# Altium PCB radxa_nx4_io_board_v1.11.PcbDoc (part 1 of 13) (continued)
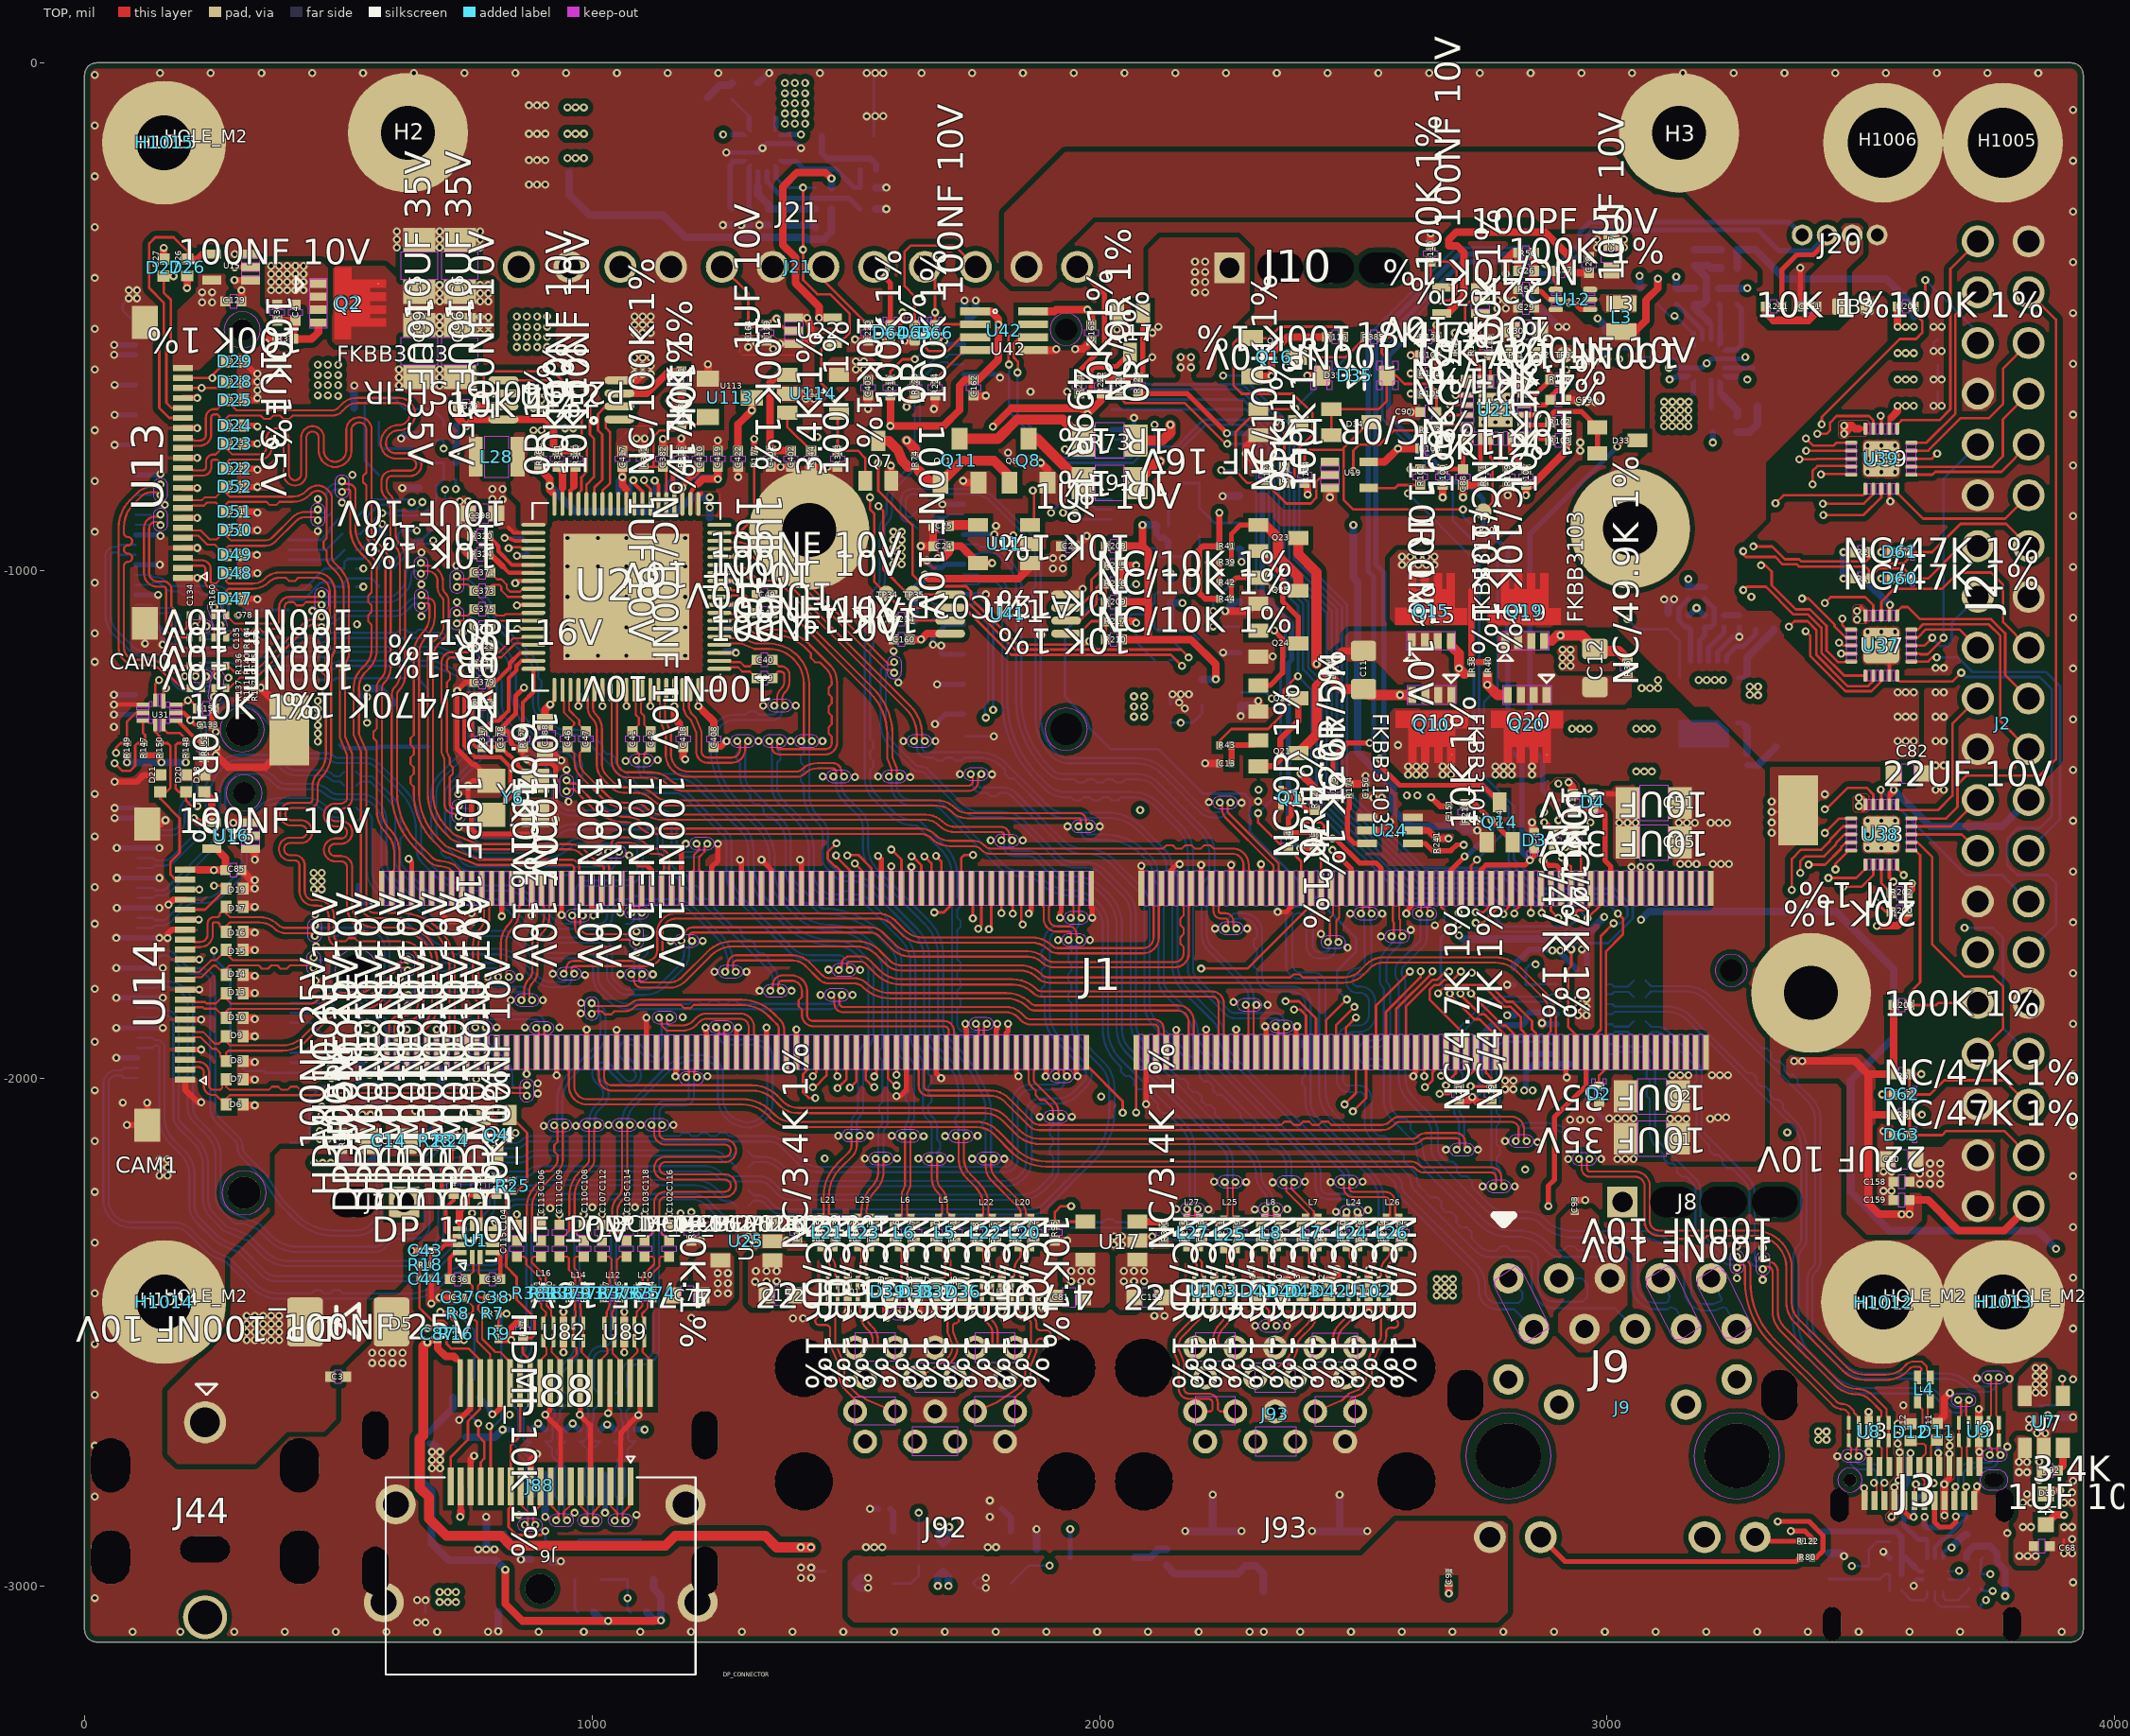
[diagram p0: TOP view]
## Components (designator, comment, footprint, x,y, rotation, side; value= is the part's Value field where it differs from the comment) (continued)
C419 "C_C0402_100NF 10V" C0402#1 1248,-780 r90 top
C422 "C_C0402_NC/100NF 10V" C0402#1 1288,-780 r270 top
D1 "DIODE_SOD_123_B5819W" SOD_123#1 2004,-2944 r0 bottom
D2 "ESD_ESD_D0402_BTR04G02" ESD_D0402 2984,-2032 r270 top
D3 "ESD_ESD_D0402_BTR04G02" ESD_D0402 2856,-1532 r90 top
D4 "ESD_ESD_D0402_BTR04G02" ESD_D0402 2972,-1456 r90 top
D5 "DIODE_DO_214AA_SMBJ22A" DO_214AA 520,-2480 r180 top
D6 "ESD_DFN1006-2L_ESD5311N" DFN1006-2L 296,-2051 r0 top
D7 "ESD_DFN1006-2L_ESD5311N" DFN1006-2L 296,-2002 r0 top
D8 "ESD_DFN1006-2L_ESD5311N" DFN1006-2L 296,-1966 r0 top
D9 "ESD_DFN1006-2L_ESD5311N" DFN1006-2L 296,-1917 r0 top
D10 "ESD_DFN1006-2L_ESD5311N" DFN1006-2L 296,-1881 r0 top
D11 "ESD_DFN1006-2L_ESD5311N" DFN1006-2L 3650,-2696 r270 top
D12 "ESD_DFN1006-2L_ESD5311N" DFN1006-2L 3598,-2696.86 r270 top
D13 "ESD_DFN1006-2L_ESD5311N" DFN1006-2L 296,-1832 r0 top
D14 "ESD_DFN1006-2L_ESD5311N" DFN1006-2L 296,-1796 r0 top
D15 "ESD_DFN1006-2L_ESD5311N" DFN1006-2L 296,-1747 r0 top
D16 "ESD_DFN1006-2L_ESD5311N" DFN1006-2L 296,-1711 r0 top
D17 "ESD_DFN1006-2L_ESD5311N" DFN1006-2L 296,-1662 r0 top
D18 "ESD_DFN1006-2L_ESD5311N" DFN1006-2L 236,-1420 r90 top
D19 "ESD_DFN1006-2L_ESD5311N" DFN1006-2L 296,-1626 r0 top
D20 "ESD_DFN1006-2L_ESD5311N" DFN1006-2L 200,-1420 r90 top
D21 "ESD_DFN1006-2L_ESD5311N" DFN1006-2L 149,-1420 r90 top
D22 "ESD_DFN1006-2L_ESD5311N" DFN1006-2L 296,-799 r0 top
D23 "ESD_DFN1006-2L_ESD5311N" DFN1006-2L 296,-750 r0 top
D24 "ESD_DFN1006-2L_ESD5311N" DFN1006-2L 296,-714 r0 top
D25 "ESD_DFN1006-2L_ESD5311N" DFN1006-2L 296,-664 r0 top
D26 "ESD_DFN1006-2L_ESD5311N" DFN1006-2L 203.51,-402.49 r270 top
D27 "ESD_DFN1006-2L_ESD5311N" DFN1006-2L 156,-404 r90 top
D28 "ESD_DFN1006-2L_ESD5311N" DFN1006-2L 296,-628 r0 top
D29 "ESD_DFN1006-2L_ESD5311N" DFN1006-2L 296,-588 r0 top
D30 "LED_LED_D0603_LED_GREEN" LED_D0603 3864,-2849 r90 top
D31 "ESD_DFN1006-2L_ESD5311N" DFN1006-2L 3724,-2860 r0 bottom
D32 "ESD_DFN1006-2L_ESD5311N" DFN1006-2L 3556,-2836 r180 bottom
D33 "DIODE_S_3P_SOT_323_BAT54CW" SOT_323#1 3020,-744 r270 top
D34 "DIODE_S_3P_SOT_323_BAT54CW" SOT_323#1 2496,-708 r270 top
D35 "DIODE_SOD_123_BZT52C3V3" SOD_123#2 2504,-616 r180 top
D36 "ESD_DFN1006-2L_ESD5311N" DFN1006-2L 1732,-2420 r270 top
D37 "ESD_DFN1006-2L_ESD5311N" DFN1006-2L 1680,-2420 r270 top
D38 "ESD_DFN1006-2L_ESD5311N" DFN1006-2L 1640,-2420 r270 top
D39 "ESD_DFN1006-2L_ESD5311N" DFN1006-2L 1584,-2420 r270 top
D40 "ESD_DFN1006-2L_ESD5311N" DFN1006-2L 2364,-2420 r90 top
D41 "ESD_DFN1006-2L_ESD5311N" DFN1006-2L 2312,-2420 r90 top
D42 "ESD_DFN1006-2L_ESD5311N" DFN1006-2L 2452,-2420 r90 top
D43 "ESD_DFN1006-2L_ESD5311N" DFN1006-2L 2400,-2420 r90 top
D47 "ESD_DFN1006-2L_ESD5311N" DFN1006-2L 296,-1055 r0 top
D48 "ESD_DFN1006-2L_ESD5311N" DFN1006-2L 296,-1005 r0 top
D49 "ESD_DFN1006-2L_ESD5311N" DFN1006-2L 296,-969 r0 top
D50 "ESD_DFN1006-2L_ESD5311N" DFN1006-2L 296,-920 r0 top
D51 "ESD_DFN1006-2L_ESD5311N" DFN1006-2L 296,-884 r0 top
D52 "ESD_DFN1006-2L_ESD5311N" DFN1006-2L 296,-835 r0 top
D60 "ESD_ESD_D0402_BTR04G02" ESD_D0402 3576,-1016 r180 top
D61 "ESD_ESD_D0402_BTR04G02" ESD_D0402 3576,-964 r180 top
D62 "ESD_ESD_D0402_BTR04G02" ESD_D0402 3580,-2032 r180 top
D63 "ESD_ESD_D0402_BTR04G02" ESD_D0402 3580,-2112 r180 top
D64 "ESD_ESD_D0402_BTR04G02" ESD_D0402 1588,-532 r270 top
D65 "ESD_ESD_D0402_BTR04G02" ESD_D0402 1636,-532 r270 top
D66 "ESD_ESD_D0402_BTR04G02" ESD_D0402 1676,-532 r270 top
D99 "DIODE_S_3P_SOT_323_HDMI_BAT54CW" SOT_323#1 992,-2948 r180 bottom
FB1 "BEAD_FB0805_80R 6A" FB0805 820,-600 r0 bottom
FB2 "BEAD_FB0805_80R 6A" FB0805 820,-676 r0 bottom
FB3 "BEAD_FB0603_330R 2A" FB0603 3484,-480 r180 top
H1 "HOLE_HOLE_2D7_6D0_A_HOLE_M2" HOLE_2D7_6D0_A#1 1428,-920 r180 bottom
H2 "HOLE_HOLE_2D7_6D0_A_NC/HOLE_M2" HOLE_2D7_6D0_A#2 637.8,-137.8 r0 top
H3 "HOLE_HOLE_2D7_6D0_A_NC/HOLE_M2" HOLE_2D7_6D0_A#2 3141.73,-137.8 r0 top
H1005 "HOLE_HOLE_C6_0D3_5MM_NC/HOLE_M2" HOLE_C6_0D3_5MM 3779.53,-157.48 r0 top
H1006 "HOLE_HOLE_C6_0D3_5MM_NC/HOLE_M2" HOLE_C6_0D3_5MM 3543.3,-157.48 r0 top
H1007 "HOLE_HOLE_2D7_6D0_A_HOLE_M2" HOLE_2D7_6D0_A#1 3401.7,-1832 r180 bottom
H1011 "HOLE_HOLE_2D7_6D0_A_HOLE_M2" HOLE_2D7_6D0_A#1 3045.12,-917.32 r180 bottom
H1012 "HOLE_HOLE_C6_2D2_75MM_HOLE_M2" HOLE_C6_2D2_75MM 3543.31,-2440.94 r0 top
H1013 "HOLE_HOLE_C6_2D2_75MM_HOLE_M2" HOLE_C6_2D2_75MM 3779.53,-2440.94 r0 top
H1014 "HOLE_HOLE_C6_2D2_75MM_HOLE_M2" HOLE_C6_2D2_75MM 157.48,-2440.94 r0 top
H1015 "HOLE_HOLE_C6_2D2_75MM_HOLE_M2" HOLE_C6_2D2_75MM 157.48,-157.48 r0 top
J1 "CON_SODIMM_260_SODIMM_SM260_0D5" SODIMM_SM260_0D5_78D0X26D1 1890,-1288 r180 top
J2 "CON_SM2X20_CON_TH20X2_2D54_STA_" CON_TH20X2_2D54_STA 3780,-1302 r90 top
J3 "TYPEC_24P_SMD_TYPEC_SM24_0D5_LI" TYPEC_SM24_0D5_LIE 3620,-2960.86 r0 top
J4 "CON1X2_CON_SM1X2_1D25_LIE_WF012" CON_SM1X2_1D25_LIE 2348,-2908 r0 bottom
J5 "M2_KEY_M_M2-M_KEY_SM_75_0D5_M2_" M2-M_KEY_SM_75_0D5 1754,-920 r0 bottom
J6 "HDMI_TYPE_A_LIE_HDMI_SM19_0D5_L" HDMI_SM19_0D5_LIE_S 899.13,-2971.6 r0 top
J7 "TH_2PIN_2D54_CONM_TH1X2_2D54_ST" CONM_TH1X2_2D54_STA 580,-2244 r180 top
J8 "CONM_TH1X4_2D54_STA_CONM_TH1X4_" CONM_TH1X4_2D54_STA 3180,-2244 r0 top
J9 "LPJG0926HENL_RJ45_LED_TH22_LIE_" RJ45_LED_TH22_LIE 3030,-2744 r0 top
J10 "CONM_TH1X4_2D54_STA_CONM_TH1X4_" CONM_TH1X4_2D54_STA 2406,-404 r0 top
J14 "M2_KEY_M_M2-M_KEY_SM_75_0D5_M2_" M2-M_KEY_SM_75_0D5 1758,-1832 r0 bottom
J15 "M2_KEY_E_PCIE_E_KEY_SM75_0D5_30" PCIE_E_KEY_SM75_0D5_30 2470,-920 r90 bottom
J20 "CON_1X4_CON_TH1X4_1D25_STA_CON_" CON_TH1X4_1D25_STA 3458,-368 r0 top
J21 "CON_1X12_CON_TH12X1_2D54_LIE_CO" CON_TH12X1_2D54_LIE 1406,-226 r180 top
J44 "DC091_5521_DC_TH7_13D5X11D45_DC" DC_TH7_13D5X11D45 238,-2916 r180 top
J88 "DP_DP_SM20_17D0X17D0_DP_CONNECT" DP_SM20_17D0X17D0 898,-2865.14 r0 top
J92 "USB3D0_2_USB3_TH18_17D0X14D0_LI" USB3_TH18_17D0X14D0_LIE 1676,-2831.74 r0 top
J93 "USB3D0_2_USB3_TH18_17D0X14D0_LI" USB3_TH18_17D0X14D0_LIE 2346,-2831.74 r0 top
L1 "L_L_5030_1.5UH 10A" L_5030 3436,-588 r0 bottom
L2 "L_L_5030_1.5UH 10A" L_5030 1116,-172 r180 bottom
L3 "L_L_2016_1UH 4A" L_2016 3028,-502 r270 top
L4 "MCZ1210AH900L2_LC1210_MCZ1210AH" LC1210 3624,-2612.86 r90 top
L5 "MCZ1210AH900L2_LC1210_MCZ1210AH" LC1210 1696,-2304 r90 top
L6 "MCZ1210AH900L2_LC1210_MCZ1210AH" LC1210 1616,-2304 r90 top
L7 "MCZ1210AH900L2_LC1210_MCZ1210AH" LC1210 2418,-2304 r90 top
L8 "MCZ1210AH900L2_LC1210_MCZ1210AH" LC1210 2338,-2304 r90 top
L9 "L_L_5030_1.5UH 10A" L_5030 3441,-1244 r0 bottom
L10 "MCZ1210AH900L2_CML_SM4_0D45_0D5" CML_SM4_0D45_0D5 1105,-2424 r0 top
L11 "MCZ1210AH900L2_CML_SM4_0D45_0_1" CML_SM4_0D45_0D5 860,-2632 r0 bottom
L12 "MCZ1210AH900L2_CML_SM4_0D45_0D5" CML_SM4_0D45_0D5 1040,-2424 r0 top
L13 "MCZ1210AH900L2_CML_SM4_0D45_0_1" CML_SM4_0D45_0D5 932,-2632 r0 bottom
L14 "MCZ1210AH900L2_CML_SM4_0D45_0D5" CML_SM4_0D45_0D5 972,-2424 r0 top
L15 "MCZ1210AH900L2_CML_SM4_0D45_0_1" CML_SM4_0D45_0D5 999,-2632 r0 bottom
L16 "MCZ1210AH900L2_CML_SM4_0D45_0D5" CML_SM4_0D45_0D5 904,-2424 r0 top
L17 "MCZ1210AH900L2_CML_SM4_0D45_0_1" CML_SM4_0D45_0D5 1064,-2632 r0 bottom
L20 "MCZ1210AH900L2_LC1210_MCZ1210AH" LC1210 1852,-2304 r90 top
L21 "MCZ1210AH900L2_LC1210_MCZ1210AH" LC1210 1464,-2304 r90 top
L22 "MCZ1210AH900L2_LC1210_MCZ1210AH" LC1210 1776,-2304 r90 top
L23 "MCZ1210AH900L2_LC1210_MCZ1210AH" LC1210 1536,-2304 r90 top
L24 "MCZ1210AH900L2_LC1210_MCZ1210AH" LC1210 2498,-2304 r90 top
L25 "MCZ1210AH900L2_LC1210_MCZ1210AH" LC1210 2257,-2308 r90 top
L26 "MCZ1210AH900L2_LC1210_MCZ1210AH" LC1210 2577,-2304 r90 top
L27 "MCZ1210AH900L2_LC1210_MCZ1210AH" LC1210 2184,-2304 r90 top
L28 "L_L_2520_4.7UH 2A" L_2520 812,-776 r0 top
Q1 "MOSFET_NPN_SOT_723_NTK3043NT1G" SOT_723 2376,-1448 r270 top
Q2 "MOSEFT_PNP_5P_DFN3X3_EP_FKBB310" DFN3X3_EP 520,-476 r0 top
Q3 "MOSFET_NPN_SOT_323_2SK3018" SOT_323#2 620,-812 r90 bottom
Q4 "NPN_SOT_323_SS8050" SOT_323#1 812,-2112 r180 top
Q5 "MOSFET_NPN_SOT_323_NX3008NBKW" SOT_323#1 2352,-708 r270 top
Q6 "MOSFET_NPN_SOT_323_HDMI_NX3008N" SOT_323#1 1096,-2948 r180 bottom
Q7 "MOSFET_NPN_SOT_323_2SK3018" SOT_323#1 1564,-784 r0 top
Q8 "MOSFET_NPN_SOT_23_AO3416A" SOT_23 1860,-784 r270 top
Q9 "MOSFET_NPN_SOT_323_HDMI_2SK3018" SOT_323#1 752,-2668 r0 bottom
Q10 "MOSEFT_PNP_5P_DFN3X3_EP_FKBB310" DFN3X3_EP 2652,-1304 r270 top
Q11 "MOSFET_NPN_SOT_23_AO3416A" SOT_23 1724,-784 r270 top
Q12 "MOSFET_NPN_SOT_323_NX3008NBKW" SOT_323#2 2236,-1036 r90 bottom
Q13 "MOSFET_NPN_SOT_323_NX3008NBKW" SOT_323#2 2236,-1136 r90 bottom
Q14 "MOSFET_NPN_SOT_323_NX3008NBKW" SOT_323#1 2788,-1496 r0 top
Q15 "MOSEFT_PNP_5P_DFN3X3_EP_FKBB310" DFN3X3_EP 2656,-1080 r90 top
Q16 "MOSFET_PNP_SOT_23_WPM3407-3/TR" SOT_23 2344,-580 r180 top
Q17 "MOSFET_NPN_SOT_323_NX3008NBKW" SOT_323#1 2060,-532 r180 top
Q19 "MOSEFT_PNP_5P_DFN3X3_EP_FKBB310" DFN3X3_EP 2840,-1080 r90 top
Q20 "MOSEFT_PNP_5P_DFN3X3_EP_FKBB310" DFN3X3_EP 2840,-1304 r270 top
Q21 "MOSFET_NPN_SOT_323_2SK3018" SOT_323#1 2352,-1360 r270 top
Q22 "MOSFET_NPN_SOT_323_2SK3018" SOT_323#1 2352,-1252 r270 top
Q23 "MOSFET_NPN_SOT_323_2SK3018" SOT_323#1 2352,-936 r270 top
Q24 "MOSFET_NPN_SOT_323_2SK3018" SOT_323#1 2352,-1144 r270 top
Q25 "MOSFET_NPN_SOT_323_2SK3018" SOT_323#1 2352,-1040 r270 top
Q26 "MOSFET_NPN_SOT_323_2SK3018" SOT_323#2 3476,-2960.86 r270 bottom
Q27 "MOSFET_NPN_SOT_323_2SK3018" SOT_323#2 620,-708 r90 bottom
Q28 "MOSFET_NPN_SOT_323_2SK3018" SOT_323#2 2236,-932 r90 bottom
Q29 "MOSFET_NPN_SOT_323_2SK3018" SOT_323#2 2236,-828 r90 bottom
R1 "R_R0402_NC/47K 1%_5%" R0402#1 3500,-1016 r0 top
R2 "R_R0402_NC/47K 1%_5%" R0402#1 3500,-964 r0 top
R3 "R_R0402_NC/47K 1%_5%" R0402#1 2936,-1532 r270 top
R4 "R_R0402_NC/47K 1%_5%" R0402#1 2895,-1532 r270 top
R5 "R_R0402_NC/47K 1%_5%" R0402#1 3580,-1992 r0 top
R6 "R_R0402_NC/47K 1%_5%" R0402#1 3580,-2072 r0 top
R7 "R_R0201_HDMI_0R 1%" R0201#1 804,-2464 r0 top
R8 "R_R0201_HDMI_0R 1%" R0201#1 736,-2464 r180 top
R9 "R_R0201_HDMI_2K 1%" R0201#1 816,-2504 r90 top
R10 "R_R0402_10K 1%_5%" R0402#1 2932,-1456 r270 top
R11 "R_R0402_510R 1%" R0402#2 2132,-2944 r270 bottom
R12 "R_R0402_4.7K 1%_5%" R0402#1 2424,-1456 r270 top
R13 "R_R0402_0R 1%" R0402#1 2424,-1532 r90 top
R14 "R_R0402_NC/0R 1%" R0402#1 2372,-1532 r90 top
R15 "R_R0402_1R 5%" R0402#1 508,-2124 r90 top
R16 "R_R0201_HDMI_2K 1%" R0201#1 732,-2504 r90 top
R17 "R_R0402_HDMI_10K 1%" R0402#1 864,-2496 r270 top
R18 "R_R0201_0R 1%" R0201#1 672,-2368 r180 top
R19 "R_R0402_NC/4.7K 1%" R0402#1 2772,-2032 r90 top
R20 "R_R0201_100K 1%" R0201#2 3192,-1100 r270 bottom
R21 "R_R0402_NC/4.7K 1%" R0402#1 2708,-2032 r90 top
R22 "R_R0201_100K 1%" R0201#2 3160,-1100 r270 bottom
R23 "R_R0201_HDMI_0R 1%" R0201#1 692,-2124 r90 top
R24 "R_R0201_DP_0R 1%" R0201#1 724,-2124 r90 top
R25 "R_R0201_NC/0R 1%" R0201#1 844,-2212 r270 top
R26 "R_R0402_10K 1%" R0402#1 812,-2212 r90 top
R27 "R_R0201_HDMI_499R 1%" R0201#2 1017,-2704 r270 bottom
R28 "R_R0402_10K 1%_5%" R0402#1 2124,-1300 r0 bottom
R29 "R_R0201_HDMI_499R 1%" R0201#2 976,-2704 r270 bottom
R30 "R_R0201_HDMI_499R 1%" R0201#2 880,-2704 r270 bottom
R31 "R_R0201_HDMI_499R 1%" R0201#2 840,-2704 r270 bottom
R32 "R_R0201_HDMI_499R 1%" R0201#2 908,-2704 r270 bottom
R33 "R_R0201_HDMI_499R 1%" R0201#2 948,-2704 r270 bottom
R34 "R_R0402_NC/49.9K 1%" R0402#1 2456,-1196 r270 top
R35 "R_R0402_NC/49.9K 1%" R0402#1 3040,-1192 r90 top
R36 "R_R0402_100K 1%_1%" R0402#1 380,-492 r270 top
R37 "R_R0402_100K 1%_1%" R0402#1 396,-544 r180 top
R38 "R_R0201_51K 5%" R0201#1 2732,-1192 r270 top
R39 "R_R0201_1M 1%" R0201#1 2248,-984 r180 top
R40 "R_R0201_10K 5%" R0201#1 2764,-1192 r270 top
R41 "R_R0201_10K 5%" R0201#1 2248,-952 r0 top
R42 "R_R0201_1M 1%" R0201#1 2248,-1024 r180 top
R43 "R_R0201_0R 5%" R0201#1 2248,-1344 r180 top
R44 "R_R0201_10K 5%" R0201#1 2248,-1056 r0 top
R45 "R_R0201_1K 5%" R0201#1 2700,-560 r270 top
R46 "R_R0402_NC/10K 1%" R0402#1 3012,-528 r0 bottom
R47 "R_R0402_1K 1%" R0402#1 3240,-368 r180 bottom
R48 "R_R0402_100K 1%" R0402#1 3240,-404 r180 bottom
R49 "R_R0402_NC/10K 1%" R0402#2 3100,-460 r90 bottom
R50 "R_R0402_10K 1%" R0402#2 3064,-460 r90 bottom
R51 "R_R0402_10K 1%" R0402#2 3136,-460 r90 bottom
R52 "R_R0402_NC/10K 1%" R0402#2 3220,-460 r90 bottom
R53 "R_R0402_22K 1%" R0402#2 3172,-460 r270 bottom
R54 "R_R0402_10K 1%_1%" R0402#1 3012,-564 r0 bottom
R55 "R_R0201_0R 5%" R0201#2 3852,-2656 r270 bottom
R56 "R_R0402_100K 1%" R0402#1 2840,-374 r0 top
R57 "R_R0402_NC/10K 1%" R0402#1 2910,-410 r180 top
R58 "R_R0402_22K 1%" R0402#1 2840,-446 r180 top
R59 "R_R0201_NC/2M 5%" R0201#2 3628,-2656 r90 bottom
R60 "R_R0201_NC/2M 5%" R0201#2 3628,-2836 r270 bottom
R61 "R_R0201_33R 1%" R0201#1 524,-2008 r180 bottom
R62 "R_R0201_10K 5%" R0201#1 720,-788 r180 bottom
R63 "R_R0201_10K 5%" R0201#1 720,-716 r180 bottom
R64 "R_R0201_10K 5%" R0201#1 720,-744 r180 bottom
R65 "R_R0201_0R 5%" R0201#1 524,-960 r180 bottom
R66 "R_R0201_0R 5%" R0201#1 720,-820 r0 bottom
R67 "R_R0201_0R 5%" R0201#1 524,-1944 r180 bottom
R68 "R_R0201_33R 1%" R0201#1 644,-1212 r180 bottom
R69 "R_R0201_10K 5%" R0201#1 2124,-956 r180 bottom
R70 "R_R0201_10K 5%" R0201#1 2124,-912 r0 bottom
R71 "R_R0402_NC/47K 1%_5%" R0402#1 603,-928 r0 bottom
R72 "R_R0402_3M 5%" R0402#2 920,-2936 r90 bottom
R73 "R_R1206_1R 1%" R1206 2020,-744 r180 top
R74 "R_R0201_100K 1%" R0201#1 1636,-784 r270 top
R75 "R_R0201_HDMI_499R 1%" R0201#2 1045,-2704 r270 bottom
R76 "R_R0201_HDMI_499R 1%" R0201#2 1086,-2704 r270 bottom
R77 "R_R0201_HDMI_100K 5%" R0201#2 680,-2708 r90 bottom
R78 "R_R0201_510K 5%" R0201#2 3192,-1044 r90 bottom
R79 "R_R0201_10K 5%" R0201#1 3568,-2912.86 r180 bottom
R80 "R_R0201_120R 5%" R0201#1 3392,-2944 r180 top
R81 "R_R0402_10K 1%_1%" R0402#2 3120,-1100 r90 bottom
R82 "R_R0201_1K 5%" R0201#2 3260,-1100 r270 bottom
R83 "R_R0201_510K 5%" R0201#2 3160,-1044 r90 bottom
R84 "R_R0201_10K 5%" R0201#1 3568,-2976.86 r180 bottom
R85 "R_R0201_0R 5%" R0201#1 3724,-2975.86 r180 bottom
R86 "R_R0201_0R 5%" R0201#1 3724,-3040.86 r180 bottom
R87 "R_R0201_0R 5%" R0201#1 3568,-3008.86 r180 bottom
R88 "R_R0201_0R 5%" R0201#1 3724,-3004.86 r180 bottom
R89 "R_R0402_10K 1%_5%" R0402#2 3896,-2652 r90 bottom
R90 "R_R0402_10K 1%_5%" R0402#1 1196,-2304 r270 top
R91 "R_R1206_1R 1%" R1206 2020,-828 r180 top
R92 "R_R0402_3.4K 1%" R0402#1 3872,-2772.86 r0 top
R93 "R_R0402_NC/0R 1%" R0402#1 524,-928 r180 bottom
R94 "R_R0402_NC/0R 1%" R0402#1 524,-892 r180 bottom
R95 "R_R0402_10K 1%_5%" R0402#1 1912,-2304 r270 top
R96 "R_R0402_NC/0R 1%" R0402#1 2398,-2304 r270 top
R97 "R_R0402_NC/0R 1%" R0402#1 2438,-2304 r270 top
R98 "R_R0402_NC/0R 1%" R0402#1 2318,-2304 r270 top
R99 "R_R0402_NC/0R 1%" R0402#1 2358,-2304 r270 top
R100 "R_R0402_100K 1%_1%" R0402#1 2676,-816 r90 top
R101 "R_R0402_110R 1%" R0402#1 2632,-816 r270 top
R102 "R_R0402_10K 1%_1%" R0402#1 2904,-708 r180 top
R103 "R_R0402_10K 1%_1%" R0402#1 2904,-744 r180 top
R104 "R_R0402_10K 1%_1%" R0402#1 2840,-816 r90 top
R105 "R_R0402_NC/10K 1%_1%" R0402#1 2648,-652 r0 top
R106 "R_R0402_10K 1%_1%" R0402#1 2648,-760 r0 top
R107 "R_R0402_10K 1%_1%" R0402#1 2648,-576 r0 top
R108 "R_R0402_4.7K 1%_5%" R0402#1 2904,-624 r180 top
R109 "R_R0402_NC/10K 1%" R0402#1 2804,-816 r270 top
R110 "R_R0402_100K 1%_1%" R0402#1 2652,-376 r90 top
R111 "R_R0402_NC/10K 1%" R0402#1 2756,-816 r270 top
R112 "R_R0402_NC/10K 1%" R0402#1 2648,-612 r0 top
R113 "R_R0402_NC/0R 1%" R0402#1 2648,-724 r180 top
R114 "R_R0402_100K 1%_1%" R0402#1 2404,-812 r90 top
R115 "R_R0402_100K 1%_1%" R0402#1 2768,-560 r90 top
R116 "R_R0402_100K 1%" R0402#1 2464,-540 r180 top
R117 "R_R0402_91K 1%_5%" R0402#1 2364,-812 r90 top
R118 "R_R0402_NC/10K 1%" R0402#1 1544,-211 r180 bottom
R119 "R_R0402_100K 1%_1%" R0402#1 1344,-532 r270 top
R120 "R_R0402_4.7K 1%_1%" R0402#1 2648,-540 r0 top
R121 "R_R0402_NC/100K 1%_1%" R0402#1 2328,-812 r90 top
R122 "R_R0201_120R 5%" R0201#1 3392,-2912 r180 top
R123 "R_R0402_1K 1%" R0402#1 1456,-324 r180 bottom
R124 "R_R0201_1K 5%" R0201#1 2732,-560 r90 top
R125 "R_R0402_100K 1%" R0402#1 1456,-288 r180 bottom
R126 "R_R0402_47K 5%" R0402#1 3724,-2944.86 r0 bottom
R127 "R_R0402_HDMI_162K 1%" R0402#1 1092,-3052 r0 bottom
R128 "R_R0402_32.4K 1%" R0402#1 988,-3052 r180 bottom
R129 "R_R0402_NC/10K 1%" R0402#1 1456,-246 r180 bottom
R130 "R_R0402_10K 1%" R0402#1 1544,-246 r180 bottom
R131 "R_R0402_0R 1%" R0402#2 1644,-2944 r90 bottom
R132 "R_R0201_6.8K 1%" R0201#2 880,-2936 r270 bottom
R133 "R_R0402_100K 1%_1%" R0402#2 1876,-2944 r270 bottom
R134 "R_R0402_0R 1%_5%" R0402#1 2828,-1952 r0 bottom
R135 "R_R0201_DP_6.8K 1%" R0201#1 1576,-2848 r0 bottom
R136 "R_R0201_0R 5%" R0201#1 220,-1188 r0 top
R137 "R_R0201_0R 5%" R0201#1 220,-1232 r0 top
R138 "R_R0201_NC/100K 5%" R0201#1 2828,-1784 r0 bottom
R139 "R_R0201_100K 5%" R0201#1 2828,-1816 r180 bottom
R140 "R_R0201_NC/0R 5%" R0201#1 244,-1188 r180 top
R141 "R_R0201_NC/0R 5%" R0201#1 244,-1232 r180 top
R142 "R_R0402_10K 1%" R0402#1 1544,-288 r180 bottom
R143 "R_R0402_NC/10K 1%" R0402#2 1312,-304 r270 bottom
R144 "R_R0201_NC/0R 5%" R0201#2 1110,-1732 r90 bottom
R145 "R_R0201_NC/0R 5%" R0201#2 1066,-1732 r90 bottom
R146 "R_R0201_0R 5%" R0201#2 1110,-1708 r270 bottom
R147 "R_R0201_1K 1%_5%" R0201#1 117,-1352 r90 top
R148 "R_R0201_1K 1%_5%" R0201#1 200,-1352 r90 top
R149 "R_R0201_1K 1%_5%" R0201#1 84,-1352 r90 top
R150 "R_R0201_1K 1%_5%" R0201#1 148,-1352 r90 top
R151 "R_R0402_10K 1%_5%" R0402#1 240,-1272 r0 top
R152 "R_R0402_0R 1%" R0402#1 236,-1352 r270 top
R153 "R_R0402_22K 1%" R0402#2 1348,-304 r90 bottom
R154 "R_R0201_0R 5%" R0201#2 1066,-1708 r270 bottom
R155 "R_R0201_0R 5%" R0201#1 268,-1188 r0 top
R156 "R_R0402_NC/47K 1%_5%" R0402#1 524,-1976 r180 bottom
R157 "R_R0201_0R 5%" R0201#1 268,-1232 r0 top
R158 "R_R0402_NC/0R 1%" R0402#1 524,-1876 r180 bottom
R159 "R_R0402_NC/0R 1%" R0402#1 524,-1912 r180 bottom
R160 "R_R0201_NC/0R 5%" R0201#1 244,-1088 r180 top
R161 "R_R0402_NC/47K 1%_5%" R0402#1 1652,-1060 r0 bottom
R162 "R_R0402_NC/47K 1%_5%" R0402#1 1652,-1100 r0 bottom
R163 "R_R0402_NC/47K 1%_5%" R0402#1 2124,-1024 r180 bottom
R164 "R_R0201_NC/0R 5%" R0201#1 244,-1132 r180 top
R165 "R_R0201_NC/0R 5%" R0201#1 592,-1032 r180 bottom
R166 "R_R0201_NC/0R 5%" R0201#1 524,-996 r180 bottom
R167 "R_R0201_0R 5%" R0201#1 524,-1032 r180 bottom
R168 "R_R0201_0R 5%" R0201#1 592,-960 r180 bottom
R169 "R_R0201_NC/0R 5%" R0201#1 592,-996 r0 bottom
R170 "R_R0402_47K 1%_5%" R0402#1 2124,-1064 r180 bottom
R171 "R_R0402_47K 1%_5%" R0402#1 2124,-1100 r180 bottom
R172 "R_R0402_NC/0R 1%" R0402#1 2124,-1176 r180 bottom
R173 "R_R0402_NC/0R 1%" R0402#1 2124,-1140 r180 bottom
R174 "R_R0201_4.7K 1%" R0201#1 2492,-1432 r270 top
R175 "R_R0402_120R 5%" R0402#1 2460,-1432 r90 top
R176 "R_R0201_10K 1%" R0201#1 1136,-848 r0 bottom
R177 "R_R0201_10K 1%" R0201#1 1320,-780 r90 top
R178 "R_R0201_10K 1%" R0201#2 872,-956 r90 bottom
R179 "R_R0201_10K 1%" R0201#1 1064,-848 r180 bottom
R180 "R_R0402_NC/3.4K 1%" R0402#1 1404,-2304 r90 top
R200 "R_R0402_20K 1%" R0402#1 3576,-1672 r180 top
R201 "R_R0402_100K 1%" R0402#1 3588,-480 r0 top
R202 "R_R0402_1M 1%" R0402#1 3576,-1636 r180 top
R203 "R_R0402_100K 1%" R0402#1 3580,-1856 r0 top
R208 "R_R0402_10K 1%_5%" R0402#1 2028,-952 r180 top
R209 "R_R0402_10K 1%_5%" R0402#1 2028,-1062 r180 top
R210 "R_R0402_10K 1%_5%" R0402#1 2028,-1136 r180 top
R211 "R_R0402_10K 1%_5%" R0402#1 3328,-480 r0 top
R214 "R_R0402_10K 1%_5%" R0402#1 1610,-1096 r180 top
R215 "R_R0402_NC/10K 1%_5%" R0402#1 2028,-990 r0 top
R216 "R_R0402_NC/10K 1%_5%" R0402#1 2028,-1026 r0 top
R217 "R_R0402_NC/10K 1%_5%" R0402#1 2028,-1100 r0 top
R218 "R_R0402_10K 1%_5%" R0402#1 2720,-1476 r90 top
R219 "R_R0402_100K 1%_1%" R0402#1 1588,-640 r90 top
R220 "R_R0402_10K 1%_5%" R0402#1 1544,-532 r270 top
R221 "R_R0402_499R 1%_1%" R0402#1 1960,-636 r270 top
R222 "R_R0402_10K 1%_5%" R0402#1 2004,-636 r90 top
R223 "R_R0402_0R 1%" R0402#1 1636,-640 r90 top
R224 "R_R0402_100K 1%" R0402#1 1676,-640 r90 top
R225 "R_R0402_0R 1%" R0402#1 2076,-636 r90 top
R226 "R_R0402_NC/0R 1%" R0402#1 2040,-636 r90 top
R241 "R_R0201_100K 1%" R0201#1 2664,-1540 r270 top
R248 "R_R0402_NC/0R 1%" R0402#1 2518,-2304 r270 top
R249 "R_R0402_NC/0R 1%" R0402#1 2276,-2304 r270 top
R250 "R_R0402_NC/0R 1%" R0402#1 2478,-2304 r270 top
R251 "R_R0402_NC/0R 1%" R0402#1 2238,-2304 r270 top
R252 "R_R0402_NC/0R 1%" R0402#1 2596,-2304 r270 top
R253 "R_R0402_NC/0R 1%" R0402#1 2202,-2304 r270 top
R254 "R_R0402_NC/0R 1%" R0402#1 2558,-2304 r270 top
R255 "R_R0402_NC/0R 1%" R0402#1 2166,-2304 r270 top
R317 "R_R0402_22R 1%" R0402#1 784,-1332 r90 top
R318 "R_R0402_10K 1%" R0402#1 1176,-696 r90 top
R320 "R_R0402_10K 1%" R0402#1 780,-932 r180 top
R321 "R_R0402_0R 1%" R0402#1 784,-1184 r180 top
R322 "R_R0402_0R 1%" R0402#1 784,-1148 r180 top
R323 "R_R0402_NC/470K 1%" R0402#1 784,-1263 r180 top
R324 "R_R0402_10K 1%" R0402#1 780,-968 r180 top
R326 "R_R0402_4.7K 1%" R0402#1 1176,-780 r90 top
R327 "R_R0402_6.04K 1%" R0402#1 864,-1332 r270 top
R329 "R_R0402_10K 1%" R0402#1 752,-677 r0 top
R331 "R_R0402_10K 1%" R0402#1 1176,-624 r270 top
R340 "R_R0402_10K 1%" R0402#1 968,-780 r90 top
R341 "R_R0402_10K 1%" R0402#1 932,-780 r90 top
R342 "R_R0402_NC/100K 1%" R0402#1 1102,-780 r90 top
R343 "R_R0402_100K 1%" R0402#1 1484,-780 r90 top
R344 "R_R0402_3.4K 1%" R0402#1 1432,-780 r90 top
R345 "R_R0402_NC/0R 1%" R0402#1 1248,-896 r0 bottom
R346 "R_R0402_NC/0R 1%" R0402#1 1796,-2304 r270 top
R347 "R_R0402_NC/0R 1%" R0402#1 1556,-2304 r270 top
R348 "R_R0402_NC/0R 1%" R0402#1 1756,-2304 r270 top
R349 "R_R0402_NC/0R 1%" R0402#1 1516,-2304 r270 top
R350 "R_R0402_NC/0R 1%" R0402#1 1676,-2304 r270 top
R351 "R_R0402_NC/0R 1%" R0402#1 1716,-2304 r270 top
R352 "R_R0402_NC/0R 1%" R0402#1 1872,-2304 r270 top
R353 "R_R0402_NC/0R 1%" R0402#1 1480,-2304 r270 top
R354 "R_R0402_NC/0R 1%" R0402#1 1832,-2304 r270 top
R355 "R_R0402_NC/0R 1%" R0402#1 1444,-2304 r270 top
R356 "R_R0402_NC/0R 1%" R0402#1 1596,-2304 r270 top
R357 "R_R0402_NC/0R 1%" R0402#1 1636,-2304 r270 top
R361 "R_R0402_0R 1%" R0402#1 896,-780 r90 top
R366 "R_R0201_NC/0R 1%" R0201#2 844,-2632 r90 bottom
R367 "R_R0201_NC/0R 1%" R0201#2 876,-2632 r90 bottom
R368 "R_R0201_NC/0R 1%" R0201#2 948,-2632 r90 bottom
R369 "R_R0201_NC/0R 1%" R0201#2 916,-2632 r90 bottom
R370 "R_R0201_NC/0R 1%" R0201#2 984,-2632 r90 bottom
R371 "R_R0201_NC/0R 1%" R0201#2 1013,-2632 r90 bottom
R372 "R_R0201_NC/0R 1%" R0201#2 1080,-2632 r90 bottom
R373 "R_R0201_NC/0R 1%" R0201#2 1048,-2632 r90 bottom
R374 "R_R0201_NC_0R 1%" R0201#1 1120,-2424 r270 top
R375 "R_R0201_NC_0R 1%" R0201#1 1090,-2424 r270 top
R376 "R_R0201_NC_0R 1%" R0201#1 1056,-2424 r270 top
R377 "R_R0201_NC_0R 1%" R0201#1 1024,-2424 r270 top
R378 "R_R0201_NC_0R 1%" R0201#1 988,-2424 r270 top
R379 "R_R0201_NC_0R 1%" R0201#1 956,-2424 r270 top
R380 "R_R0201_NC_0R 1%" R0201#1 920,-2424 r270 top
R381 "R_R0201_NC_0R 1%" R0201#1 888,-2424 r270 top
R385 "R_R0402_18K 1%" R0402#1 2540,-540 r0 top
R390 "R_R0402_NC/3.4K 1%" R0402#1 2126,-2304 r90 top
R391 "R_R0201_6.8K 1%" R0201#1 1796,-2848 r0 bottom
R396 "R_R0402_47K 1%" R0402#1 2124,-736 r180 bottom
TP30 "TP_TP32_DNI" TP32 2756,-884 r180 top
TP31 "TP_TP32_DNI" TP32 2812,-575 r180 top
TP32 "TP_TP32_DNI" TP32 2864,-575 r180 top
TP33 "TP_TP32_DNI" TP32 2916,-575 r180 top
TP34 "TP_TP32_DNI" TP32 1580,-1046 r90 top
TP35 "TP_TP32_DNI" TP32 1632,-1046 r90 top
U1 "PI3AUX221ZTAEX_UQFN12_0D4_2_PI3" UQFN12_0D4_2 772,-2320 r90 top
U2 "FUSB301TMX_TMLP_0D4_1D2_U_USB_F" TMLP_0D4_1D2 3646,-2978.86 r270 bottom
U3 "SY8386J_QFN16_0D45_2D5_SY8386J" QFN16_0D45_2D5 3196,-592 r270 bottom
U4 "SY8370C1_QFN13_0D45_3_SY8370C1" QFN13_0D45_3 3200,-1256 r0 bottom
U5 "74LVC1G07GW_SC70_5_74LVC1G07GW" SC70_5#1 2240,-1240 r90 bottom
U6 "SY8386J_QFN16_0D45_2D5_SY8386J" QFN16_0D45_2D5 1336,-168 r90 bottom
U7 "WS4603_SOT23_5_WS4603" SOT23_5#1 3860,-2676.86 r270 top
U8 "ESD73034D_XSON10_0D5_1D1X2D6_ES" XSON10_0D5_1D1X2D6 3515,-2696 r180 top
U9 "ESD73034D_XSON10_0D5_1D1X2D6_ES" XSON10_0D5_1D1X2D6 3732,-2696 r0 top
U10 "CH482D_QFN20_0D5_2D5_CH482D" QFN20_0D5_2D5 2952,-1884 r270 bottom
U11 "PT5108E23E_18_SOT23_5_PT5108E23" SOT23_5#1 1812,-948 r0 top
U12 "ETA3521_SOT563_ETA3521" SOT563 2934.56,-466.28 r180 top
U13 "FPC_22P_FPC_22_0D5_LIE_FPC_22P" FPC_22_0D5_LIE 110,-808 r270 top
U14 "FPC_22P_FPC_22_0D5_LIE_FPC_22P" FPC_22_0D5_LIE 114,-1796 r270 top
U15 "74LVC1G125GW_125_SC70_5_AIP74LV" SC70_5#2 289.51,-402.49 r90 top
U16 "74LVC1G125GW_125_SC70_5_AIP74LV" SC70_5#2 289.51,-1522.49 r90 top
U17 "AP22811AW5-7_SOT23_5_AP22811AW5" SOT23_5#1 2023,-2320 r0 top
U19 "74LVC1G07GW_SC70_5_74LVC1G07GW" SC70_5#2 2492,-812 r270 top
U20 "74LVC1G125GW_125_SC70_5_AIP74LV" SC70_5#2 2712,-468 r90 top
U21 "EFM8SB10F2G_QFN20_0D5_1D8_EFM8S" QFN20_0D5_1D8 2780,-684 r180 top
U22 "74LVC1G125GW_125_SC70_5_AIP74LV" SC70_5#2 1436,-528 r270 top
U24 "SN74LVC1T45DCKR_P_SOT_363_SN74L" SOT_363 2572,-1512 r0 top
U25 "AP22811AW5-7_SOT23_5_AP22811AW5" SOT23_5#1 1304.23,-2321.24 r0 top
U28 "VL817_QFN76_0D4_9_VL817" QFN76_0D4_9 1068,-1052 r180 top
U30 "WS4603_SOT23_5_DP_WS4603" SOT23_5#2 1556,-2944 r270 bottom
U31 "RS2227XUTQK10_QFN10_0D4_1D4_RS2" QFN10_0D4_1D4 148,-1280 r180 top
U37 "RS0208_QFN20_0D4_3_RS0208YTQC20" QFN20_0D4_3 3540,-1148 r270 top
U38 "RS0208_QFN20_0D4_3_RS0208YTQC20" QFN20_0D4_3 3540,-1520 r270 top
U39 "RS0208_QFN20_0D4_3_RS0208YTQC20" QFN20_0D4_3 3540,-780 r270 top
U41 "BL34C04A_NTRC_TSSOP8_0D65_4_AT2" TSSOP8_0D65_4 1820,-1086 r180 top
U42 "RS0102YH8_SOT23_8_RS0102YH8" SOT23_8 1812,-528 r270 top
U82 "ESD73034D_XSON10_0D5_1D1X2D6_DP" XSON10_0D5_1D1X2D6 944,-2500 r180 top
U88 "ESD73034D_XSON10_0D5_1D1X2D6_HD" XSON10_0D5_1D1X2D6 908,-2796 r0 bottom
U89 "ESD73034D_XSON10_0D5_1D1X2D6_DP" XSON10_0D5_1D1X2D6 1064,-2500 r180 top
U99 "ESD73034D_XSON10_0D5_1D1X2D6_HD" XSON10_0D5_1D1X2D6 1026,-2796 r180 bottom
U100 "ESD73034D_XSON10_0D5_1D1X2D6_ES" XSON10_0D5_1D1X2D6 1808,-2420 r180 top
U101 "ESD73034D_XSON10_0D5_1D1X2D6_ES" XSON10_0D5_1D1X2D6 1504,-2420 r180 top
U102 "ESD73034D_XSON10_0D5_1D1X2D6_ES" XSON10_0D5_1D1X2D6 2530,-2420 r180 top
U103 "ESD73034D_XSON10_0D5_1D1X2D6_ES" XSON10_0D5_1D1X2D6 2226,-2420 r180 top
U108 "WS4603_SOT23_5_HDMI_WS4603" SOT23_5#2 1788,-2944 r270 bottom
U109 "DIO7002_SOT23_5_HDMI_DIO7002" SOT23_5#2 792,-2944 r270 bottom
U112 "P25Q40H_TSH_IR_TSSOP8_0D65_4_P2" TSSOP8_0D65_4 940,-664 r180 top
U113 "MAX809T_SOT_23_NC/MAX809T" SOT_23 1272,-660 r180 top
U114 "WS4603_SOT23_5_WS4603" SOT23_5#1 1436,-652 r180 top
Y1 "OSC_4P_V_OSC_SM4_3D2X2D5_NC/32." OSC_SM4_3D2X2D5#1 660,-2036 r180 bottom
Y2 "OSC_4P_V_OSC_SM4_3D2X2D5_NC/32." OSC_SM4_3D2X2D5#2 644,-1304 r270 bottom
Y6 "OSC_4P_OSC_SM4_3D2X2D5_25MHZ_10" OSC_SM4_3D2X2D5#1 845,-1448 r0 top

## Footprints (in the part's own frame and the unit in brackets; to place one, negate y for a bottom-side part, rotate by r counter-clockwise, add the part's x,y. Pads: shape width x height; smd on the part's side, far side on the other; paste and mask are expansions set on the pad)
C0201#1 [mil] "C0201"
  rect 11.81x15.75 smd: 1(-11.81,0) 2(11.81,0)
  body extent -12,-6 12,6, height 150
C0201#2 [mil] "C0201"
  rect 11.81x15.75 smd: 1(11.81,0) 2(-11.81,0)
C0402#1 [mil] "C0402"
  rect 19.68x19.68 smd: 1(-15.75,0) 2(15.75,0)
  TOP keep-out region: -5.91,13.78 5.91,13.78 5.91,-13.78 -5.91,-13.78
C0402#2 [mil] "C0402"
  rect 19.68x19.68 smd: 1(15.75,0) 2(-15.75,0)
  TOP keep-out region: 5.91,-13.78 -5.91,-13.78 -5.91,13.78 5.91,13.78
C0603#1 [mil] "C0603"
  rect 31.5x31.5 smd: 1(-27.56,0) 2(27.56,0)
  TOP keep-out region: -11.81,19.68 11.81,19.68 11.81,-19.68 -11.81,-19.68
  body extent -43,-16 43,16, height 150
C0603#2 [mil] "C0603"
  rect 31.5x31.5 smd: 1(27.56,0) 2(-27.56,0)
  TOP keep-out region: 11.81,-19.68 -11.81,-19.68 -11.81,19.68 11.81,19.68
  body extent -43,-16 43,16, height 150
C0805 [mil] "C0805"
  rrect30% 40x50 smd: 1(-37.5,0) 2(37.5,0)
  body extent -73,-40 73,40, height 150
C1206 [mil] "C1206"
  rect 47.24x62.99 smd: 1(-51.18,0) 2(51.18,0)
  TOP keep-out region: -27.56,35.43 27.56,35.43 27.56,-35.43 -27.56,-35.43
  body extent -63,-32 63,32, height 150
CML_SM4_0D45_0D5 [mil] "CML_SM4_0D45_0D5"
  rect 9x12 smd: 1(-8.86,-10.83) 2(8.86,-10.83) 3(8.86,10.83) 4(-8.86,10.83)
  TOP keep-out region: -12.6,-14.96 12.6,-14.96 12.6,14.96 -12.6,14.96
  TOP keep-out region: -11.02,-2.36 11.02,-2.36 11.02,2.36 -11.02,2.36
  TOP keep-out region: -1.97,-13.58 1.97,-13.58 1.97,13.58 -1.97,13.58
CON_SM1X2_1D25_LIE [mil] "CON_SM1X2_1D25_LIE"
  rect 31.5x70.87 smd: 1(24.61,102.36) 2(-24.61,102.36)
  rect 82.68x118.11 smd: 3(-125,-15.75) 4(125,-15.75)
  silkscreen extent 10,144 41,194, body extent -157,-102 157,102, height 150
CON_TH1X4_1D25_STA [mm] "CON_TH1X4_1D25_STA"
  round 1.04 hole 0.64: 1(1.875,0.73) 2(0.625,0.73) 3(-0.625,0.73) 4(-1.875,0.73)
  silkscreen extent 3.61,0.39 4.11,1.03, body extent -3.42,-2.58 3.42,2.58, height 3.81
CON_TH12X1_2D54_LIE [mil] "CON_TH12X1_2D54_LIE"
  round 62.99 hole 43.31: 1(-550,176.18) 2(-450,176.18) 3(-350,176.18) 4(-250,176.18) 5(-150,176.18) 6(-50,176.18) 7(50,176.18) 8(150,176.18) 9(250,176.18) 10(350,176.18) 11(450,176.18) 12(550,176.18)
  silkscreen extent -565,216 -533,232, body extent -602,-218 602,218, height 150
CON_TH20X2_2D54_STA [mil] "CON_TH20X2_2D54_STA"
  round 62.99 hole 43.31: 1(-950,-50) 2(-950,50) 3(-850,-50) 4(-850,50) 5(-750,-50) 6(-750,50) 7(-650,-50) 8(-650,50) 9(-550,-50) 10(-550,50) 11(-450,-50) 12(-450,50) 13(-350,-50) 14(-350,50) 15(-250,-50) 16(-250,50) 17(-150,-50) 18(-150,50) 19(-50,-50) 20(-50,50) 21(50,-50) 22(50,50) 23(150,-50) 24(150,50) 25(250,-50) 26(250,50) 27(350,-50) 28(350,50) 29(450,-50) 30(450,50) 31(550,-50) 32(550,50) 33(650,-50) 34(650,50) 35(750,-50) 36(750,50) 37(850,-50) 38(850,50) 39(950,-50) 40(950,50)
  silkscreen extent -969,-128 -931,-109, body extent -1008,-123 1008,123, height 150
CONM_TH1X2_2D54_STA [mil] "CONM_TH1X2_2D54_STA"
  rect 60x60 / inner rect 60x60 / far side rect 60x90 hole 40: 1(-50,0)
  round 60 / inner round 60 / far side oval 60x90 hole 60 slot 90 at 0 deg: 2(50,0)
  silkscreen extent -149,-85 -124,-59, body extent -199,-165 199,165, height 150
CONM_TH1X4_2D54_STA [mil] "CONM_TH1X4_2D54_STA"
  rect 60x60 / inner rect 60x60 / far side rect 60x90 hole 40: 1(-150,0)
  round 60 / inner round 60 / far side oval 60x90 hole 60 slot 90 at 0 deg: 2(-50,0) 3(50,0) 4(150,0)
  silkscreen extent -251,64 -220,95, body extent -300,-165 300,165, height 150
DC_TH7_13D5X11D45 [mm] "DC_TH7_13D5X11D45"
  round 2.1 hole 1.5: 1(0,-6.05)
  oval 2.5x1.3 hole 1.3 slot 2.5 at 0 deg: 2(0,0.3)
  round 2.2 hole 1.7: 3(0,3.7)
  oval 1.95x2.7 hole 1.95 slot 2.7 at 90 deg: 4(-4.725,0.7) 5(4.725,0.7) 6(-4.725,-3.9) 7(4.725,-3.9)
  silkscreen extent -0.6,-7.95 0.45,-7.45, body extent -5.3,-6.7 5.3,6.7, height 3.81
DFN3X3_EP [mil] "DFN3X3_EP"
  rect 32x16 smd: 1(-58.81,40.89) 2(-58.81,15.3) 3(-58.81,-10.29) 4(-58.81,-35.88)
  round 1 smd: 5(58.81,40.89)
  TOP region: -27.15,-68.37 -27.15,73.39 6.71,73.39 6.71,48.89 74.81,48.89 74.81,32.89 42.81,32.89 42.81,23.31 74.81,23.31 74.81,7.31 42.81,7.31 42.81,-2.29 74.81,-2.29 74.81,-18.29 42.81,-18.29 42.81,-27.87 74.81,-27.87 74.81,-43.87 5.71,-43.87 5.71,-68.37
  TOP keep-out region: -76.76,50.91 -76.76,-45.91 -40.86,-45.91 -40.86,50.91
  silkscreen extent -104,25 -88,55, body extent -80,-82 80,82, height 150
DFN1006-2L [mil] "DFN1006-2L"
  rect 22x24 smd: 1(-16.24,-0.49) 2(17.22,-0.49)
  body extent -32,-16 32,16, height 150
DO_214AA [mil] "DO_214AA"
  rrect17% 70x96 smd: 1(-85.2,0) 2(85.2,0)
  silkscreen extent -40,-35 38,35, body extent -134,-85 134,85, height 150